# Altium PCB PCB1.PcbDoc (part 3 of 5) (continued)
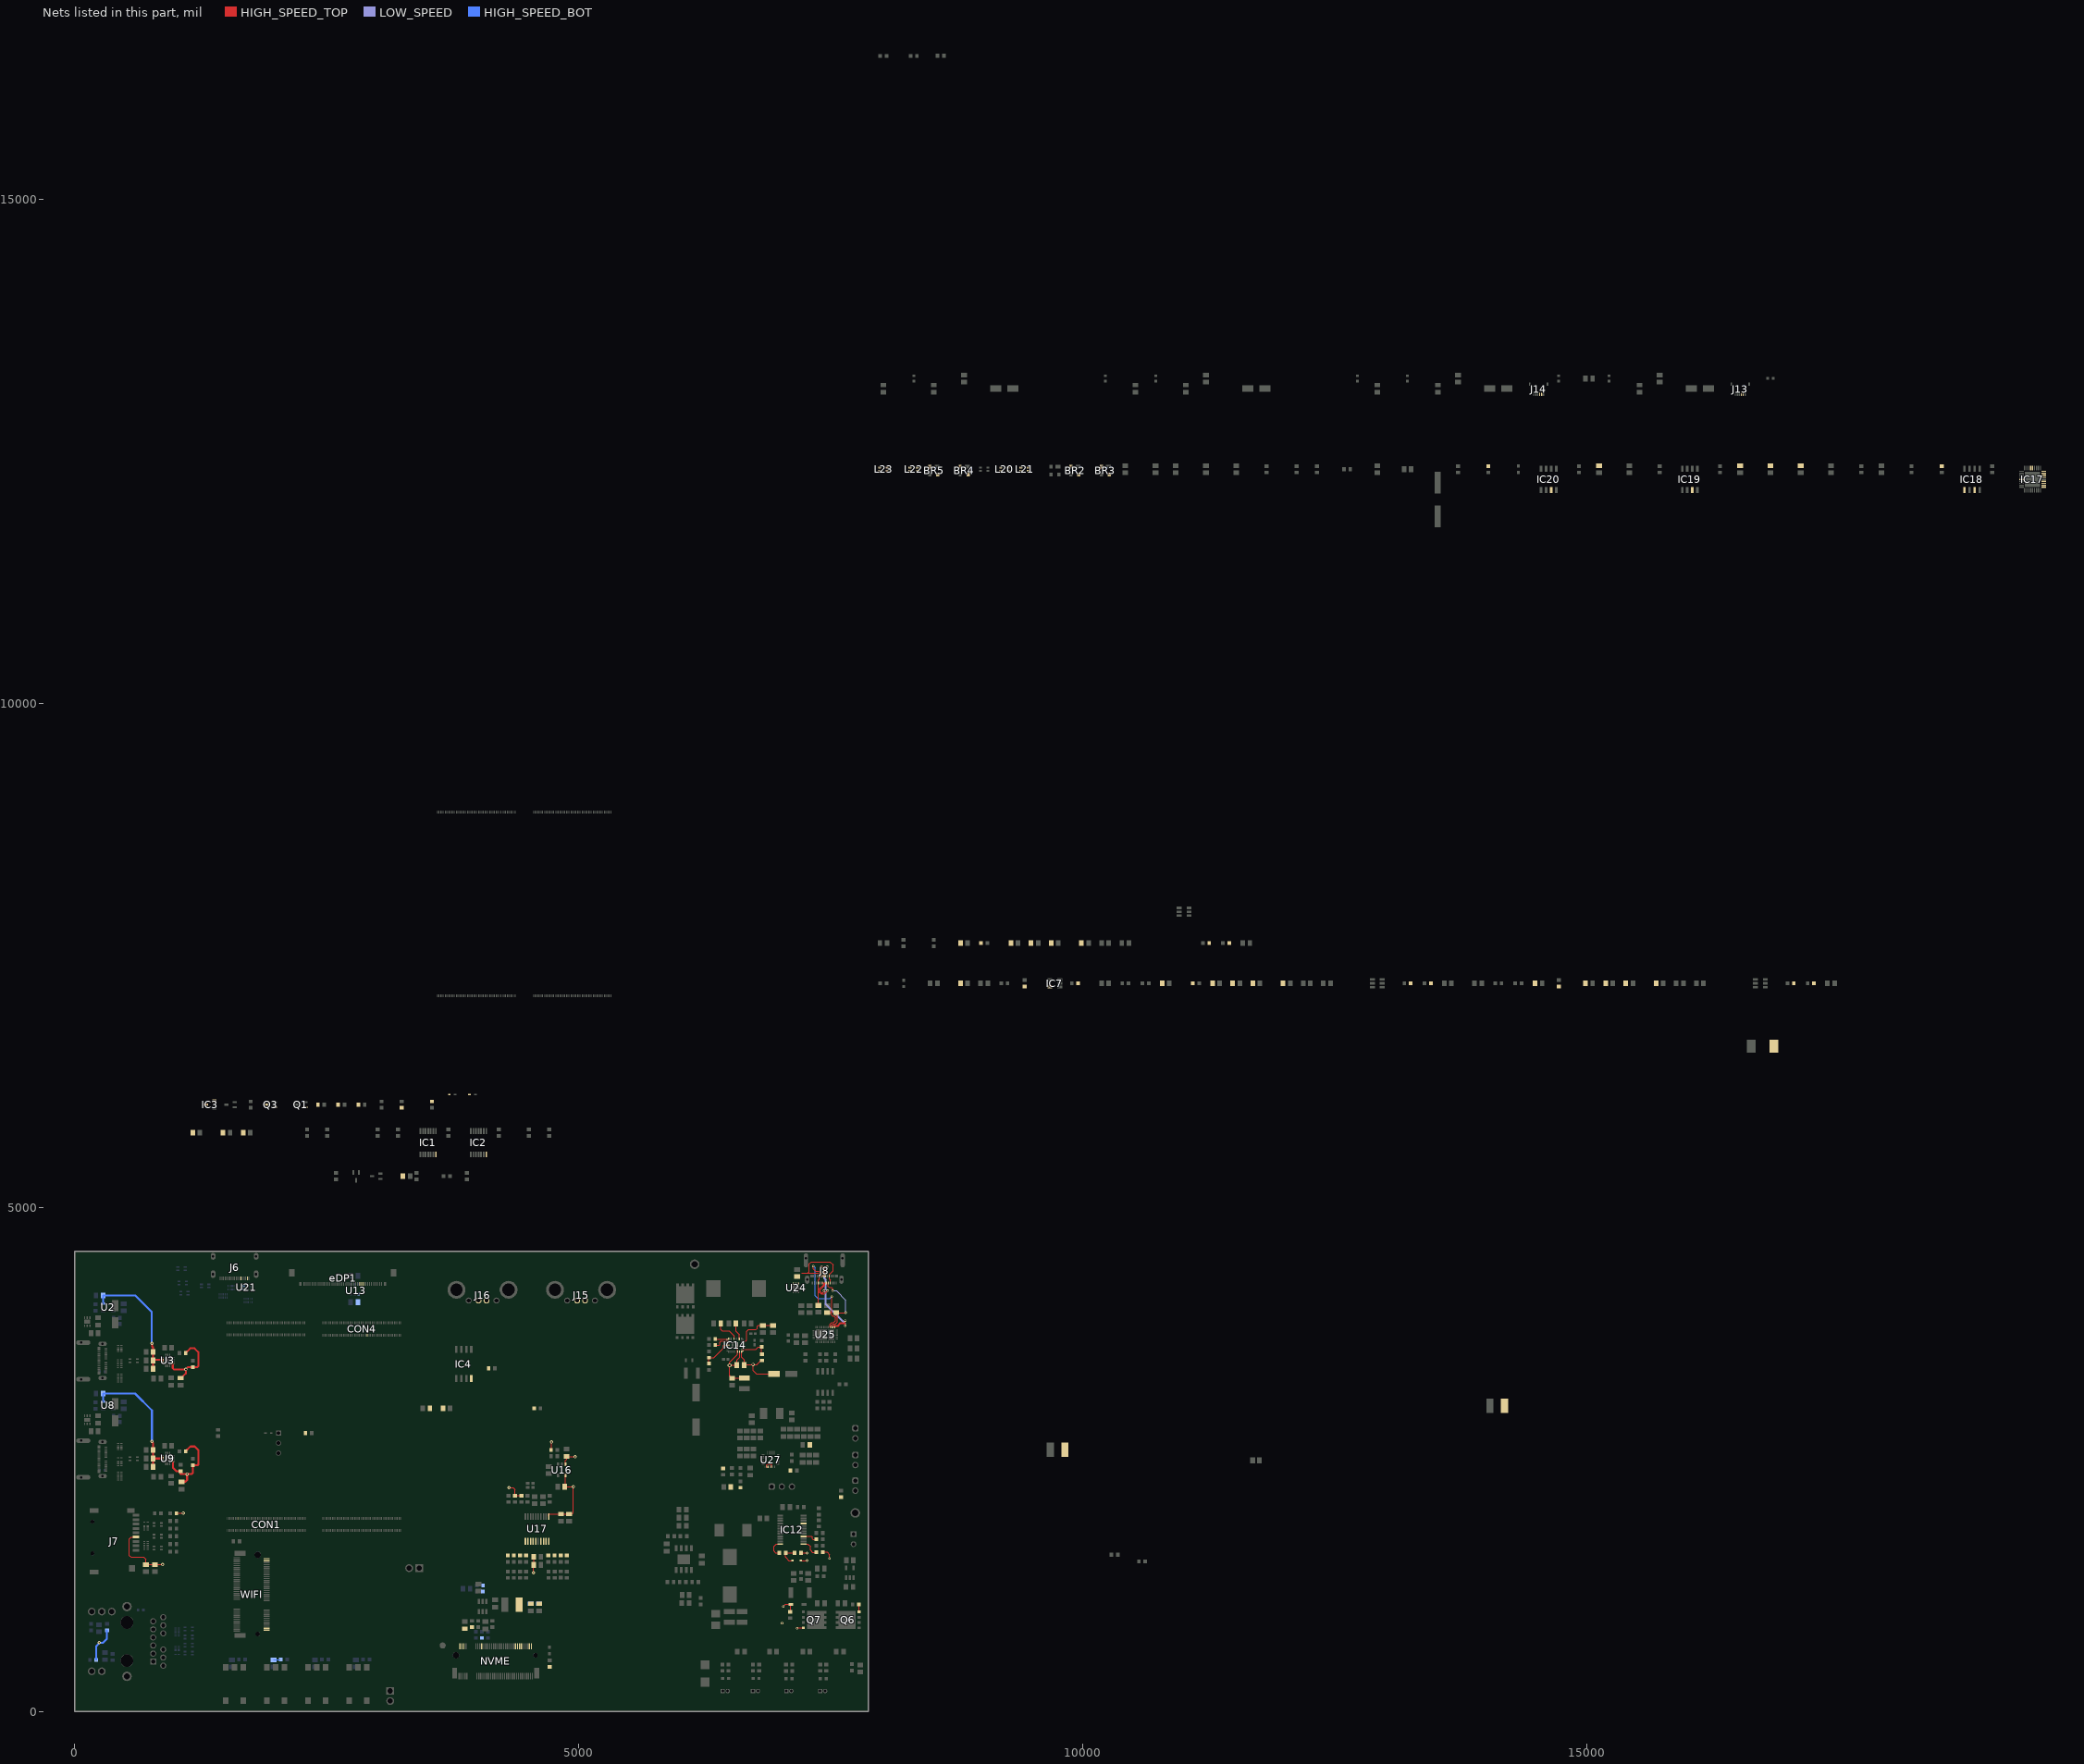
[diagram p9: the nets of this part, all layers, seen from the top]
## Part data (continued)
R156: library part ERJ-3EKF1022V, "10.2 kOhm, ± 1%, 100 mW, 0603 [1608 Metric], Thick Film, Precision", Case Code (Imperial)=0603, Case Code (Metric)=1608, Manufacturer=Panasonic, Max Operating Temperature=155°C, Max Power Dissipation=100mW, Min Operating Temperature=-55°C, Mouser Part Number=667-ERJ-3EKF1022V, Package Quantity=1, Resistance Tolerance=1%, Resistor Type="Thick Film", Supplier Part Number=P10.2KHCT-ND, Temperature Coefficient=100ppm/°C, Voltage Rating=75V, Voltage Rating (DC)=50V, Arrow Part Number=ERJ-3EKF1022V, Arrow Price/Stock=https://www.arrow.com/en/products/erj-3ekf1022v/panasonic, Case/Package=0603, Category="Chip SMD Resistors", ComponentLink1Description=https://datasheet.ciiva.com/34303/1987492-34303567.pdf?src-supplier=Jameco, ComponentLink1URL=https://datasheet.ciiva.com/34303/1987492-34303567.pdf?src-supplier=Jameco, ComponentLink2Description=https://datasheet.ciiva.com/30119/aoa0000ce2-30119176.pdf?src-supplier=Onlinecomponents.com, ComponentLink2URL=https://datasheet.ciiva.com/30119/aoa0000ce2-30119176.pdf?src-supplier=Onlinecomponents.com, ComponentLink3Description=https://datasheet.ciiva.com/43460/426256-43460540.pdf?src-supplier=Farnell, ComponentLink3URL=https://datasheet.ciiva.com/43460/426256-43460540.pdf?src-supplier=Farnell, ComponentLink4Description=https://datasheet.ciiva.com/9194/aoa0000ce2-9194057.pdf?src-supplier=Avnet, ComponentLink4URL=https://datasheet.ciiva.com/9194/aoa0000ce2-9194057.pdf?src-supplier=Avnet, ComponentLink5Description=https://datasheet.ciiva.com/16777/70260748-16777515.pdf?src-supplier=Allied+Electronics, ComponentLink5URL=https://datasheet.ciiva.com/16777/70260748-16777515.pdf?src-supplier=Allied+Electronics, ComponentLink6Description=https://datasheet.ciiva.com/24069/aoa0000ce2-24069678.pdf?src-supplier=Mouser, ComponentLink6URL=https://datasheet.ciiva.com/24069/aoa0000ce2-24069678.pdf?src-supplier=Mouser, ComponentLink7Description=https://datasheet.ciiva.com/28531/1678782-28531526.pdf?src-supplier=Element14, ComponentLink7URL=https://datasheet.ciiva.com/28531/1678782-28531526.pdf?src-supplier=Element14, ComponentLink8Description=https://datasheet.ciiva.com/28658/1678782-28658333.pdf?src-supplier=Element14, ComponentLink8URL=https://datasheet.ciiva.com/28658/1678782-28658333.pdf?src-supplier=Element14, ComponentLink9Description=https://datasheet.ciiva.com/46377/426256-46377339.pdf?src-supplier=Element14, ComponentLink9URL=https://datasheet.ciiva.com/46377/426256-46377339.pdf?src-supplier=Element14, Construction=Rectangular, Contact Plating=Tin, Datasheet Link=http://industrial.panasonic.com/cdbs/www-data/pdf/RDA0000/AOA0000C86.pdf, Depth=0.8mm, Features="Automotive AEC-Q200", Height=0.55mm, Lead Free="Lead Free", Length=1.6mm, Manufacturer Part Number=ERJ-3EKF1022V, Manufacturer_Name=Panasonic, Manufacturer_Part_Number=ERJ-3EKF1022V, Military Standard=Not, Mounting Technology="Surface Mount", Mouser Price/Stock=https://www.mouser.co.uk/ProductDetail/Panasonic/ERJ-3EKF1022V?qs=LRVwtJ3DVID0bgL5Wde26A%3D%3D, Number of Terminations=2, Packaging="Tape and Reel", Power Rating=100mW, Pricing="1=0.1, 10=0.035, 100=0.0177, 1000=0.01014, 2500=0.00847 (USD)", Radiation Hardening=No, Reach SVHC Compliant=No, RoHS=Yes, RoHS Compliant=Yes, Series=ERJ, Stock=89233, Supplier=Digikey, Technology="THICK FILM", Termination=SMD/SMT, Tolerance=1%, Width=0.8mm
R157: library part ERJ-3EKF3742V, "37.4K Ohm 1% 1/10W ±100ppm/°C Molded SMD Punched Carrier T/R", Case Code (Imperial)=0603, Case Code (Metric)=1608, Manufacturer=Panasonic, Max Operating Temperature=155°C, Min Operating Temperature=-55°C, Power Rating=100mW, Resistance Tolerance=1%, Resistor Type="Thick Film", Supplier Part Number=P37.4KHCT-ND, Temperature Coefficient=100ppm/°C, Voltage Rating=75V, Case/Package=0603, Category="Chip SMD Resistors", ComponentLink1Description=https://datasheet.ciiva.com/22668/1678782-22668168.pdf?src-supplier=Element14, ComponentLink1URL=https://datasheet.ciiva.com/22668/1678782-22668168.pdf?src-supplier=Element14, ComponentLink2Description=https://datasheet.ciiva.com/30172/aoa0000ce2-30172522.pdf?src-supplier=Onlinecomponents.com, ComponentLink2URL=https://datasheet.ciiva.com/30172/aoa0000ce2-30172522.pdf?src-supplier=Onlinecomponents.com, ComponentLink3Description=https://datasheet.ciiva.com/46419/1678782-46419947.pdf?src-supplier=Element14, ComponentLink3URL=https://datasheet.ciiva.com/46419/1678782-46419947.pdf?src-supplier=Element14, ComponentLink4Description=https://datasheet.ciiva.com/7870/aoa0000ce2-7870825.pdf?src-supplier=Element14, ComponentLink4URL=https://datasheet.ciiva.com/7870/aoa0000ce2-7870825.pdf?src-supplier=Element14, Lead Free="Contains Lead", Manufacturer Part Number=ERJ-3EKF3742V, Mfr_Name=Panasonic, Mounting Technology="Surface Mount", Packaging="Tape and Reel", Pricing="1=0.1, 10=0.035, 100=0.0177, 1000=0.01014, 2500=0.00847 (USD)", Reach SVHC Compliant=Unknown, RoHS=Yes, RoHS Compliant=Yes, Stock=79144, Supplier=Digikey, Tolerance=1%
R158: library part ERJ-3EKF1961V, "1.96K Ohm 1% 1/10W ±100ppm/°C Molded SMD Punched Carrier T/R", Case Code (Imperial)=0603, Case Code (Metric)=1608, Manufacturer=Panasonic, Max Operating Temperature=155°C, Max Power Dissipation=100mW, Min Operating Temperature=-55°C, Package Quantity=1, Ratings=AEC-Q200, Resistance Tolerance=1%, Resistor Type="Thick Film", Supplier Part Number=P1.96KHCT-ND, Temperature Coefficient=100ppm/°C, Voltage Rating=75V, Voltage Rating (DC)=50V, Case/Package=0603, Category="Chip SMD Resistors", ComponentLink1Description=https://datasheet.ciiva.com/6201/426256-6201465.pdf?src-supplier=Farnell, ComponentLink1URL=https://datasheet.ciiva.com/6201/426256-6201465.pdf?src-supplier=Farnell, ComponentLink2Description=https://datasheet.ciiva.com/9197/aoa0000ce2-9197519.pdf?src-supplier=Avnet, ComponentLink2URL=https://datasheet.ciiva.com/9197/aoa0000ce2-9197519.pdf?src-supplier=Avnet, ComponentLink3Description=https://datasheet.ciiva.com/16775/70260748-16775147.pdf?src-supplier=Allied+Electronics, ComponentLink3URL=https://datasheet.ciiva.com/16775/70260748-16775147.pdf?src-supplier=Allied+Electronics, ComponentLink4Description=https://datasheet.ciiva.com/28610/1678782-28610985.pdf?src-supplier=Element14, ComponentLink4URL=https://datasheet.ciiva.com/28610/1678782-28610985.pdf?src-supplier=Element14, ComponentLink5Description=https://datasheet.ciiva.com/28658/1678782-28658365.pdf?src-supplier=Element14, ComponentLink5URL=https://datasheet.ciiva.com/28658/1678782-28658365.pdf?src-supplier=Element14, ComponentLink6Description=https://datasheet.ciiva.com/46377/426256-46377743.pdf?src-supplier=Element14, ComponentLink6URL=https://datasheet.ciiva.com/46377/426256-46377743.pdf?src-supplier=Element14, ComponentLink7Description=https://datasheet.ciiva.com/46389/426256-46389227.pdf?src-supplier=Element14, ComponentLink7URL=https://datasheet.ciiva.com/46389/426256-46389227.pdf?src-supplier=Element14, ComponentLink8Description=https://datasheet.ciiva.com/24162/aoa0000ce2-24162888.pdf?src-supplier=Mouser, ComponentLink8URL=https://datasheet.ciiva.com/24162/aoa0000ce2-24162888.pdf?src-supplier=Mouser, Construction=Rectangular, Contact Plating=Tin, Depth=0.8mm, Features="Automotive AEC-Q200", Height=0.45mm, Lead Free="Lead Free", Length=1.6mm, Manufacturer Part Number=ERJ-3EKF1961V, Mfr_Name=Panasonic, Military Standard=Not, Mounting Technology="Surface Mount", Number of Terminations=2, Packaging="Tape and Reel", Power Rating=100mW, Pricing="1=0.1, 10=0.035, 100=0.0177, 1000=0.01014, 2500=0.00847 (USD)", Reach SVHC Compliant=No, RoHS=Yes, RoHS Compliant=Yes, Series=ERJ, Stock=68295, Supplier=Digikey, Technology="THICK FILM", Termination=SMD/SMT, Tolerance=1%, Weight=7.1E-05oz, Width=0.8mm
R168: library part ERJ-3EKF1241V, "1.24K Ohm 1% 1/10W  0603", Case Code (Imperial)=0603, Case Code (Metric)=1608, Manufacturer=Panasonic, Max Operating Temperature=155°C, Max Power Dissipation=100mW, Min Operating Temperature=-55°C, Mouser Part Number=667-ERJ-3EKF1241V, Package Quantity=5000, Resistance Tolerance=1%, Resistor Type="Thick Film", Supplier Part Number=P1.24KHCT-ND, Temperature Coefficient=100ppm/°C, Voltage Rating=75V, Voltage Rating (DC)=50V, Case/Package=0603, Category="Chip SMD Resistors", ComponentLink1Description=https://datasheet.ciiva.com/6201/426256-6201385.pdf?src-supplier=Farnell, ComponentLink1URL=https://datasheet.ciiva.com/6201/426256-6201385.pdf?src-supplier=Farnell, ComponentLink2Description=https://datasheet.ciiva.com/43460/426256-43460475.pdf?src-supplier=Farnell, ComponentLink2URL=https://datasheet.ciiva.com/43460/426256-43460475.pdf?src-supplier=Farnell, ComponentLink3Description=https://datasheet.ciiva.com/9198/aoa0000ce2-9198405.pdf?src-supplier=Avnet, ComponentLink3URL=https://datasheet.ciiva.com/9198/aoa0000ce2-9198405.pdf?src-supplier=Avnet, ComponentLink4Description=https://datasheet.ciiva.com/46377/426256-46377543.pdf?src-supplier=Element14, ComponentLink4URL=https://datasheet.ciiva.com/46377/426256-46377543.pdf?src-supplier=Element14, ComponentLink5Description=https://datasheet.ciiva.com/46389/426256-46389400.pdf?src-supplier=Element14, ComponentLink5URL=https://datasheet.ciiva.com/46389/426256-46389400.pdf?src-supplier=Element14, ComponentLink6Description=https://datasheet.ciiva.com/27055/1987599-27055669.pdf?src-supplier=Jameco, ComponentLink6URL=https://datasheet.ciiva.com/27055/1987599-27055669.pdf?src-supplier=Jameco, ComponentLink7Description=https://datasheet.ciiva.com/30129/aoa0000ce2-30129916.pdf?src-supplier=Onlinecomponents.com, ComponentLink7URL=https://datasheet.ciiva.com/30129/aoa0000ce2-30129916.pdf?src-supplier=Onlinecomponents.com, ComponentLink8Description=https://datasheet.ciiva.com/28536/1678782-28536153.pdf?src-supplier=Element14, ComponentLink8URL=https://datasheet.ciiva.com/28536/1678782-28536153.pdf?src-supplier=Element14, ComponentLink9Description=https://datasheet.ciiva.com/28672/1678782-28672318.pdf?src-supplier=Element14, ComponentLink9URL=https://datasheet.ciiva.com/28672/1678782-28672318.pdf?src-supplier=Element14, ComponentLink10Description=https://datasheet.ciiva.com/16787/70260748-16787720.pdf?src-supplier=Allied+Electronics, ComponentLink10URL=https://datasheet.ciiva.com/16787/70260748-16787720.pdf?src-supplier=Allied+Electronics, Construction=Rectangular, Contact Plating=Tin, Datasheet Link=http://industrial.panasonic.com/cdbs/www-data/pdf/RDA0000/AOA0000C86.pdf, Depth=0.8mm, Features="Automotive AEC-Q200", Height=0.55mm, Lead Free="Lead Free", Length=1.6mm, Manufacturer Part Number=ERJ-3EKF1241V, Manufacturer_Name=Panasonic, Manufacturer_Part_Number=ERJ-3EKF1241V, Military Standard=Not, Mounting Technology="Surface Mount", Mouser Price/Stock=https://www.mouser.co.uk/ProductDetail/Panasonic/ERJ-3EKF1241V?qs=H7k1u0Mp9JSxP0pMBm%2FrfQ%3D%3D, Number of Terminations=2, Packaging="Tape and Reel", Power Rating=100mW, Pricing="1=0.1, 10=0.035, 100=0.0177, 1000=0.01014, 2500=0.00888 (USD)", Radiation Hardening=No, Reach SVHC Compliant=Unknown, RoHS=Yes, RoHS Compliant=Yes, Series=ERJ, Stock=87035, Supplier=Digikey, Termination=SMD/SMT, Tolerance=1%, Width=0.8mm
RT1: "NTC Thermistor 10k Bead", Manufacturer_Name=Semitec, Mouser Part Number=954-103AT-2, Datasheet Link=https://www.semitec-global.com/uploads/2022/01/P12-13-AT-Thermistor.pdf, Height=9.5mm, Manufacturer_Part_Number=103AT-2, Mouser Price/Stock=https://www.mouser.co.uk/ProductDetail/Semitec/103AT-2?qs=wgO0AD0o1vvcDzsKguD%252Bew%3D%3D
TP3 TP4: library part 5006, "Test Point Compact THM PC .350 L .125 OD Heat Resistant Nylon 46 Black", Package="NON STANDARD-1 Keystone", Check_prices=https://www.snapeda.com/parts/5006/Keystone/view-part/?ref=eda, MF="Keystone Electronics Corp.", MP=5006, SnapEDA_Link=https://www.snapeda.com/parts/5006/Keystone/view-part/?ref=snap
U1 U7 U24: "ESD Suppressors / TVS Diodes 22V flat-clamp surge protection device 6-WSON -40 to 125", Breakdown Voltage=24.6V, Clamping Voltage=28V, Manufacturer="Texas Instruments", Max Operating Temperature=125°C, Min Operating Temperature=-40°C, Package="WSON-6 Texas Instruments", Peak Pulse Current=40A, Reverse Standoff Voltage=22V, Supplier Part Number=296-52187-1-ND, Category="ESD and Circuit Protection ICs", Check_prices=https://www.snapeda.com/parts/TVS2200DRVR/Texas+Instruments/view-part/?ref=eda, ComponentLink1Description=http://www.ti.com/general/docs/suppproductinfo.tsp?distId=10&amp;gotoUrl=http%3A%2F%2Fwww.ti.com%2Flit%2Fgpn%2Ftvs2200&src-supplier=Digikey, ComponentLink1URL=http://www.ti.com/general/docs/suppproductinfo.tsp?distId=10&amp;gotoUrl=http%3A%2F%2Fwww.ti.com%2Flit%2Fgpn%2Ftvs2200&src-supplier=Digikey, ComponentLink2Description=http://www.ti.com/lit/ds/symlink/tvs2200.pdf?src-supplier=Digikey, ComponentLink2URL=http://www.ti.com/lit/ds/symlink/tvs2200.pdf?src-supplier=Digikey, Direction=Unidirectional, Height=800um, Length=2mm, Manufacturer Part Number=TVS2200DRVR, MF="Texas Instruments", Mounting Technology="Surface Mount", MP=TVS2200DRVR, Number of Channels=1, Number of Circuits=1, Packaging="Cut Tape", Pins=6, Pricing="1=0.54, 10=0.373, 100=0.254, 500=0.199, 1000=0.181 (USD)", RoHS=Yes, RoHS Compliant=Yes, Series=-, SnapEDA_Link=https://www.snapeda.com/parts/TVS2200DRVR/Texas+Instruments/view-part/?ref=snap, Stock=5934, Supplier=Digikey, Thickness=750um, Width=2mm
U2 U8: "2.4V~5.5V 80mΩ Active High 1 High-side switch SOT-23-5 Power Distribution Switches ROHS", Manufacturer_Name=Silergy, Datasheet Link=https://datasheet.lcsc.com/szlcsc/Silergy-Corp-SY6280AAC_C55136.pdf, Height=1.4mm, Manufacturer_Part_Number=SY6280AAC
U3 U9: "USB Controller USB 3.1 USB Interface 14-MLP (2.5x2.5)", Manufacturer_Name=onsemi, Mouser Part Number=512-FUSB302BMPX, Arrow Part Number=FUSB302BMPX, Arrow Price/Stock=https://www.arrow.com/en/products/fusb302bmpx/on-semiconductor?utm_currency=USD&region=nac, Datasheet Link=https://www.onsemi.com/pub/Collateral/FUSB302B-D.PDF, Height=0.8mm, Manufacturer_Part_Number=FUSB302BMPX, Mouser Price/Stock=https://www.mouser.co.uk/ProductDetail/onsemi-Fairchild/FUSB302BMPX?qs=8ziscO3x5y1SHqdwooDK6g%3D%3D
U4 U5 U6 U10 U11 U12 U14 U15 U18 U19 U20 U21 U22 U23: "TVS DIODE 3.6V 8.8V 10USON / 4-Channel ESD Protection Diode for USB Type-C and HDMI 2.0", Breakdown Voltage=6.4V, Manufacturer="Texas Instruments", Max Operating Temperature=125°C, Min Breakdown Voltage=5.5V, Min Operating Temperature=-40°C, Operating Supply Voltage=3.6V, Peak Pulse Current=5A, Peak Pulse Power=17W, Power Line Protection=No, Supplier Part Number=296-43875-1-ND, Category="Integrated Circuits (ICs)", ComponentLink1Description=http://www.ti.com/lit/ds/symlink/tpd4e02b04.pdf?src-supplier=Digikey, ComponentLink1URL=http://www.ti.com/lit/ds/symlink/tpd4e02b04.pdf?src-supplier=Digikey, ComponentLink2Description=http://www.ti.com/lit/ds/symlink/tpd4e02b04.pdf?src-supplier=Farnell, ComponentLink2URL=http://www.ti.com/lit/ds/symlink/tpd4e02b04.pdf?src-supplier=Farnell, ComponentLink3Description=http://www.ti.com/lit/ds/symlink/tpd4e02b04.pdf?src-supplier=Newark, ComponentLink3URL=http://www.ti.com/lit/ds/symlink/tpd4e02b04.pdf?src-supplier=Newark, ComponentLink4Description=http://www.ti.com/general/docs/lit/getliterature.tsp?genericPartNumber=TPD4E02B04&amp;&amp;fileType=pdf&src-supplier=Element14, ComponentLink4URL=http://www.ti.com/general/docs/lit/getliterature.tsp?genericPartNumber=TPD4E02B04&amp;&amp;fileType=pdf&src-supplier=Element14, CompType=IC, Diode Type=ZENER, Direction=211Direction, Height=550um, Interface=USB,HDMI, Lead Free="Lead Free", Length=2.5mm, Manufacturer Part Number=TPD4E02B04DQAR, Mfr_Name="Texas Instruments", Mounting Technology="Surface Mount", MountType=SMT, Number of Bidirectional Channels=4, Number of Channels=4, PackageReference=DQA0010A, Packaging="Cut Tape", PartNumber=TPD4E02B04DQAR, Pins=10, Reach SVHC Compliant=No, RefDes=RefDes, Reverse Standoff Voltage=3.6V, RoHS=Y, RoHS Compliant=Yes, Series=-, Supplier=Digikey, Thickness=500um, Type=TYPE, Width=1mm
U13: "5.5-V, 2-A, 80-mΩ , 10-nA leakage load switch adj. rise time and adj output discharge 6-SOT-23 -45 to 125", Case/Package=926Case, Manufacturer="Texas Instruments", Supplier Part Number=296-TPS22917LDBVRCT-ND, Category="Integrated Circuits (ICs)", Length=2.9mm, Manufacturer Part Number=TPS22917LDBVR, Mfr_Name="Texas Instruments", Pins=6NUMBER, Pricing="1=0.41, 10=0.284, 25=0.2528, 100=0.2188, 250=0.20248, 500=0.1927, 1000=0.18463 (USD)", RefDes=RefDes, RoHS=No, Stock=10229, Supplier=Digikey, Thickness=1.2mm, Type=TYPE, Width=1.6mm
U16: "RT9193 Series 300 mA 3.3 V Ultra-Low Noise Ultra-Fast CMOS LDO Regulator-SC-70-5", Case/Package=SOT-23-5, Dropout Voltage=220mV, Manufacturer=Richtek, Max Operating Temperature=125°C, Max Supply Voltage=5.5V, Mfr_Name="Richtek Technology", Min Input Voltage=2.5V, Min Operating Temperature=-40°C, Min Output Voltage=3.3V, Output Current=300mA, Power Supply Rejection Ratio (PSRR)=50dB, Quiescent Current=130uA, Supplier Part Number=1028-1014-1-ND, Category="Voltage Regulators - Linear", ComponentLink1Description=https://datasheet.ciiva.com/2046/3d3futf-83fb3frfm5mtkzlte2lnbkzg3d3d3f3d-2046896.pdf?src-supplier=Digikey, ComponentLink1URL=https://datasheet.ciiva.com/2046/3d3futf-83fb3frfm5mtkzlte2lnbkzg3d3d3f3d-2046896.pdf?src-supplier=Digikey, ComponentLink2Description=https://datasheet.ciiva.com/28652/1782157-28652989.pdf?src-supplier=Element14, ComponentLink2URL=https://datasheet.ciiva.com/28652/1782157-28652989.pdf?src-supplier=Element14, Lead Free="Lead Free", Manufacturer Part Number=RT9193-33GB, Mounting Technology="Surface Mount", Nominal Output Voltage=3.3V, Number of Regulators=1, Output Configuration=Positive, Output Type=Fixed, Packaging="Cut Tape", Pins=5, Pricing="1=0.88, 10=0.533, 25=0.4408, 100=0.3365, 250=0.28532, 500=0.25378, 1000=0.22736 (USD)", Reach SVHC Compliant=Unknown, RefDes=RefDes, RoHS=Yes, RoHS Compliant=Yes, Series=-, Stock=19103, Supplier=Digikey, Type=Type
U17: "Clock Generators & Support Products PCI express Gen 2 4 output clock gen", Case/Package=TSSOP, Clock Frequency=200MHz, Manufacturer=Diodes, Max Operating Temperature=85°C, Max Supply Voltage=3.465V, Mfr_Name=Pericom, Min Operating Temperature=-40°C, Min Supply Voltage=3.135V, Operating Supply Voltage=3.3V, Package Quantity=74, Supplier Part Number=PI6C557-05BLE-ND, Supply Current=120mA, Category="Clock and Timing", ComponentLink1Description=https://datasheet.ciiva.com/14827/pi6c557-05b-14827350.pdf?src-supplier=Arrow+Electronics, ComponentLink1URL=https://datasheet.ciiva.com/14827/pi6c557-05b-14827350.pdf?src-supplier=Arrow+Electronics, ComponentLink2Description=https://datasheet.ciiva.com/12295/pi6c557-05b-218523-12295667.pdf?src-supplier=Mouser, ComponentLink2URL=https://datasheet.ciiva.com/12295/pi6c557-05b-218523-12295667.pdf?src-supplier=Mouser, Input=Crystal, Manufacturer Part Number=PI6C557-05BLE, Mounting Technology="Surface Mount", Number of Circuits=1, Number of Elements=1, Packaging=Rail/Tube, Pins=20, PLL=Yes, Pricing="1=3.43, 10=2.188, 74=1.56716, 148=1.41622, 296=1.2898, 518=1.20288, 1036=1.1111, 2516=1.05 (USD)", RefDes=RefDes, RoHS=Yes, RoHS Compliant=Yes, Series=-, Stock=29, Supplier=Digikey, Type=Type
U25: "USB Type-C and USB PD Controller with Integrated Power Switches Optimized for Power Applications", Manufacturer="Texas Instruments", Max Supply Voltage=22V, Min Supply Voltage=3V, Operating Temperature Range="-40°C to +125°C", AEC Category=Q200, AEC Qualified=No, ComponentLink1Description="Datasheet Link", ComponentLink1URL=http://www.ti.com/lit/ds/symlink/GPN.pdf, ComponentLink2Description="Product Folder", ComponentLink2URL=http://www.ti.com/product/GPN, ComponentLink3Description="Online Datasheet", ComponentLink3URL=http://www.ti.com/product/GPN/datasheet, CompType=IC, Datasheet Path=datasheets/IC-TPS25750DRJK.pdf, helpURL=https://upverter.com/upn/revision/5be88369cac593dc/, Number of Ports=1, PackageReference=VQFN32, Part Number=TPS25750DRJK, RoHS=UNKNOWN, SizeZ_mm=0.8mm, Standoff Height=0mm, TaMax_C=+105°C, TaMin_C=-40°C, Tjmax_C=+175°C, Usb Standard="USB 3.0"
U26: "EEPROM Memory IC 256Kbit I2C 1 MHz 500 ns 8-SOIC", Manufacturer_Name=onsemi, Mouser Part Number=698-CAT24C256WI-GT3, Arrow Part Number=CAT24C256WI-GT3, Arrow Price/Stock=https://www.arrow.com/en/products/cat24c256wi-gt3/on-semiconductor?utm_currency=USD&region=nac, Datasheet Link=https://www.onsemi.com/pub/Collateral/CAT24C256-D.PDF, Height=1.75mm, Manufacturer_Part_Number=CAT24C256WI-GT3, Mouser Price/Stock=https://www.mouser.co.uk/ProductDetail/onsemi/CAT24C256WI-GT3?qs=rZgeL6XvLwaEqwp5Dppodg%3D%3D
U27: library part BQ2579x, "BQ2579x HotRod", Manufacturer="Texas Instruments", Operating Temperature Range=to, Datasheet Path=datasheets/IC-BQ25792RQM.pdf, helpURL=https://upverter.com/upn/revision/94d0648e55e6c5c0/, PackageReference=VQFN-HR29, Part Number=BQ25792RQM, RoHS=UNKNOWN, SizeZ_mm=1mm, Standoff Height=0mm
WIFI: "PCIe M.2 Connectors, Storage and Server Connector, P=0.5mm, H=3.2mm, Key E,30Î¼in Au Plating", Package=None, Availability="In Stock", Check_prices=https://www.snapeda.com/parts/MDT320E01001/Amphenol+FCI/view-part/?ref=eda, MF="Amphenol ICC", MP=MDT320E01001, Price=None, Purchase-URL=https://pricing.snapeda.com/search/part/MDT320E01001/?ref=eda, SnapEDA_Link=https://www.snapeda.com/parts/MDT320E01001/Amphenol+FCI/view-part/?ref=snap
Y1: library part ECS-250-8-37B2-RWY-TR, "Crystal 25MHz ±15ppm (Tol) ±15ppm (Stability) 8pF FUND 50Ohm 4-Pin Mini-CSMD T/R", Manufacturer="ECS International", Package=None, Supplier Part Number=50-ECS-250-8-37B2-RWY-TRCT-ND, Availability=Unavailable, Category=Crystals, ComponentLink1Description=https://datasheet.octopart.com/ECS-250-8-37B2-RWY-TR-ECS-International-datasheet-163707945.pdf?src-supplier=Electro+Sonic, ComponentLink1URL=https://datasheet.octopart.com/ECS-250-8-37B2-RWY-TR-ECS-International-datasheet-163707945.pdf?src-supplier=Electro+Sonic, Manufacturer Part Number=ECS-250-8-37B2-RWY-TR, MF="{'manufacturer': u'ECS Inc.'}", MP=ECS-250-8-37B2-RWY-TR, Price=None, Pricing="1=0.37, 10=0.321, 50=0.2914, 100=0.2794, 500=0.25326, 1000=0.24278 (USD)", RoHS=No, Stock=26122, Supplier=Digikey
Y2: library part HCM4924000000ABJT, "Crystal 24MHz ±30ppm (Tol) ±50ppm (Stability) 18pF FUND 50Ohm Automotive 2-Pin HC-49/US SMD T/R", ESR (Equivalent Series Resistance)=50R, Frequency=24MHz, Frequency Stability=50ppm, Frequency Tolerance=30ppm, Load Capacitance=18pF, Manufacturer=Citizen, Manufacturer_Name="CITIZEN FINEDEVICE", Max Operating Temperature=60°C, Min Operating Temperature=-10°C, Mouser Part Number=695-HCM4924.0ABJT, Operating Frequency="24 MHz", Supplier Part Number=300-6145-1-ND, Category=Crystals, ComponentLink1Description=https://datasheet.ciiva.com/16377/hcm49-16377455.pdf?src-supplier=Future+Electronics, ComponentLink1URL=https://datasheet.ciiva.com/16377/hcm49-16377455.pdf?src-supplier=Future+Electronics, Datasheet Link=http://cfd.citizen.co.jp/english/prod-tech/product/pdf/datasheet_AT/HCM49_E.pdf, Height=4.3mm, Lead Free="Lead Free", Manufacturer Part Number=HCM4924000000ABJT, Manufacturer_Part_Number=HCM4924000000ABJT, Mounting Technology="Surface Mount", Mouser Price/Stock=https://www.mouser.co.uk/ProductDetail/Citizen-FineDevice/HCM4924000000ABJT?qs=byeeYqUIh0Mz0GkevvEzSA%3D%3D, Packaging="Cut Tape", Pricing="1=0.54, 10=0.47, 50=0.4262, 100=0.4085, 500=0.37032 (USD)", RoHS=Yes, RoHS Compliant=Yes, Series=HCM49, Stock=24350, Supplier=Digikey

## Free pads (board coordinates)
  round 60 all layers, no hole: "Pewake TP"(3649,656)

## Via types
v1: diameter 32, hole 16, HIGH_SPEED_TOP to HIGH_SPEED_BOT, 118 vias
v2: diameter 24, hole 12, HIGH_SPEED_TOP to HIGH_SPEED_BOT, 107 vias
v3: diameter 23.62, hole 11.81, HIGH_SPEED_TOP to HIGH_SPEED_BOT, 24 vias
v4: diameter 40, hole 20, HIGH_SPEED_TOP to HIGH_SPEED_BOT, 1 vias

## Nets (pads, with @x,y where several pads share a name; then routed paths per layer and width w, separated by ;. In a path a pad name is that pad's centre, name@x,y a point inside that pad or via, vN(x,y) a via of type N, cw(c..) or ccw(c..) an arc to the next point about the centre after c; other vN are vias at no path point)
5V_HDMI_TX0: C37.2 IC3.2 J6.18 U21.2 U21.9
(1..4)VBUS: C86.2 J8.A4 J8.A9 J8.B4 J8.B9 L15.1 U24.4 U24.5 U24.6 | length 1047.8
  HIGH_SPEED_TOP w7.87: C86.2@7164,4314.57 C86.2@7165,4315.57 ; 7212.07,4352 7272.07,4352 ; L15.1@7376.13,4028.78 J8.A9@7376.13,4254.09 7376.13,4283.59 7385.97,4293.44 J8.B4@7385.97,4321.01 J8.B4@7385.32,4321.67 ; J8.B4@7384.71,4322.27 J8.B4@7385.32,4321.67 ; J8.A4@7494.24,4254.09 7494.24,4283.59 7484.4,4293.44 J8.B9@7484.4,4321.01 7486.32,4322.94 7486.32,4339.25 7522.07,4375 7522.07,4432 7492.07,4462 7307.07,4462 7286.07,4441 7286.07,4366 7272.07,4352 ; 7272.07,4352 7377.07,4352 7385.32,4343.76 J8.B4@7385.32,4321.67
+1V8: C45.2 C46.1 C67.2 IC4.8 IC7.5 R49.2 R75.2 R76.2 | length 66.9
  HIGH_SPEED_TOP w10: R49.2@1008.5,1968 1009.5,1969 v1(1075,1969)
+3V3: C9.2 C17.2 C21.2 C60.2 C61.2 C62.2 C63.2 C64.2 C156.1 C157.1 C158.1 D2.2 IC17.15 IC17.23 L12.1 Q1.1 R4.1 R5.1 R11.1 R12.1 R13.2 R14.2 R15.2 R18.2 R22.2 R51.2 R52.2 R55.2 R60.2 R77.2 R87.2 R89.1 R92.2 R161.1 R167.1 U3.4 U9.4 U13.1 | length 2047.3
  HIGH_SPEED_TOP w10: R22.2@4725,2595 4729,2599 v1(4729,2674)
  HIGH_SPEED_TOP w19.68: U3.4@971.14,3453.87 971.14,3406.64 982.67,3395.11 v1(1100.9,3395.11) ; U9.4@972.14,2480.78 972.14,2421.86 1010,2384 R13.2@1046.5,2384 ; R13.2@1046.03,2385.5 R13.2@1048,2385.5 R13.2@1046.5,2384 ; C9.2@1048.9,3309.54 1054.8,3309.54 1100.9,3355.64 v1(1100.9,3395.11) ; C17.2@1059,2277.43 1062.58,2281.01 1096.69,2281.01 1114,2298.33 v1(1114,2357) 1160,2357 1171,2368 R11.1@1171,2444.5 1216.5,2444.5 1226,2454 1226,2593 1189,2630 1146.5,2630 1114.18,2597.68 1112.21,2597.68 1099.5,2584.97 R12.1@1099.5,2583 R12.1@1100.5,2582 ; R5.1@1099.5,3556 1098.5,3557 1098.5,3558.97 1111.21,3571.69 1113.18,3571.69 1145.5,3604 1188,3604 1225,3567 1225,3428 1215.5,3418.5 1121.69,3418.5 1100.9,3397.71 v1(1100.9,3395.11) ; v1@1113,2356 1051.86,2356 1046,2361.86 1046,2378.5 1043.5,2381 R13.2@1046.5,2384
  HIGH_SPEED_BOT w19.68: R14.2@212.5,512 212.5,649.54 242,679.05 v1(242,685) 245,682 278,682 317,721 R15.2@317,806.5
+3V3_NVME: C72.2 C73.2 C74.2 C75.2 C76.2 L13.1 NVME.2 NVME.4 NVME.12 NVME.14 NVME.16 NVME.18 NVME.70 NVME.72 NVME.74 R96.2
+3V3_PI6C: C28.2 C29.2 C30.2 C31.2 C32.2 R26.2 R27.2 U16.5 U17.1 U17.15 | length 1085.1
  HIGH_SPEED_TOP w10: v1(4308,2223) 4310,2221 4348,2221 4367,2202 R27.2@4367,2142.5 R26.2@4430,2142.5 ; v1(4551,1377) 4551,1454.43 C32.2@4552.57,1456 C31.2@4552.57,1536 ; U17.1@4700.16,1935.5 4700.16,1958.43 4702.16,1960.43 C29.2@4822,1960.43 C30.2@4904,1960.43 4908.57,1965 4939,1965 4946,1972 v1(4946,2231) C28.2@4860.43,2231 4868.99,2239.55 U16.5@4868.99,2343.75
+3V3_SD_SO: C35.2 C36.2 CON4.58 J7.4 | length 637.3
  HIGH_SPEED_TOP w10: J7.4@607.12,1731.34 558.34,1731.34 540,1713 540,1549 556,1533 684,1533 707,1510 707,1460 C35.2@706,1459 C36.2@794,1459 v1(870,1459)
+3V3_WIFI: C81.2 C82.2 C83.2 C84.2 C85.2 L14.1 R101.2 WIFI.2 WIFI.4 WIFI.72 WIFI.74
+5V: C2.2 C6.2 C7.2 C8.2 C12.2 C14.2 C15.2 C16.2 C26.2 C38.2 C39.2 C40.2 C51.2 C52.2 C53.2 C54.2 C55.2 D1.2 IC1.14 IC2.14 IC3.3 IC18.5 IC18.7 IC19.7 IC20.7 L11.1 Q3.1 R82.2 U2.5 U3.12 U3.13 U8.5 U9.12 U9.13 U16.1 | length 2809.5
  HIGH_SPEED_TOP w7.87: U16.1@4868.99,2452.25 4868.99,2491.99 4879,2502 4879,2531.57 C26.2@4877,2533.57 4882.57,2528 v1(4963,2528)
  HIGH_SPEED_TOP w19.68: v1(763.9,3653.54) 766.25,3651.19 766.25,3623.86 776,3614.11 C6.2@776,3569.21 ; v1(765,2680) 765,2673.47 777,2661.47 777,2595.78 C14.2@776.71,2595.49 ; C8.2@775.71,3401.51 C7.2@775.71,3483.68 ; C7.2@775.71,3485.49 C6.2@775.71,3567.69 ; C7.2@776.61,3484.58 781.72,3489.69 854.8,3489.69 858.35,3493.24 U3.12@869.69,3493.24 U3.13@869.69,3473.56 ; C16.2@776.71,2427.49 C15.2@776.71,2511.49 ; C14.2@776.71,2600.71 C14.2@776.71,2595.49 ; U9.13@862.78,2500.46 862.78,2513.15 ; U9.12@862.78,2520.15 862.78,2513.15 ; U9.12@869.78,2520.15 862.78,2513.15 ; C15.2@776.71,2511.49 861.12,2511.49 862.78,2513.15 ; C15.2@776.71,2511.49 C14.2@776.71,2595.49
  HIGH_SPEED_BOT w19.68: U8.5@279.82,3075.4 279.82,3155.38 C12.2@280.43,3156 598,3156 765,2989 v1(765,2680) ; U2.5@279.81,4048.6 C2.2@279.81,4129.11 ; C2.2@281.03,4129.82 597.18,4129.82 764,3963 v1@764,3653.54
+12: C131.2 C132.2 C133.1 C187.1 C187.2 eDP1.10 eDP1.11 eDP1.12 IC14.11 IC14.12 IC14.13 IC14.26 IC14.29 R79.1 R80.1 R84.1 R85.1 R93.1 R94.1 R98.1 R99.1 R148.2 | length 1337.5
  HIGH_SPEED_TOP w7.87: C131.2@6522,3308.43 6516.09,3308.43 6497.39,3327.13 6497.39,3333.04 6495,3335.43 v4(6495,3436) ; IC14.11@6575,3570.55 6575,3542 6496.2,3463.2 6496.2,3437.2 v4(6495,3436) ; IC14.12@6594.69,3570.55 6594.69,3513.68 6568.57,3487.57 C187.1@6568.57,3438 6566.57,3436 v4(6495,3436) ; IC14.13@6615.31,3572.55 6615.31,3515.68 6641.43,3489.57 6641.43,3444 C187.2@6641.43,3440
  HIGH_SPEED_TOP w10: C131.2@6522,3308.43 6640.93,3308.43 C132.2@6641,3308.36 ; IC14.11@6575,3570.55 IC14.26@6575,3635 ; C187.2@6631.43,3439 6636.43,3444 6641.43,3444 v1(6728,3444) ; R148.2@6808,3484.5 6806.03,3484.5 6765.53,3444 v1(6728,3444) ; C133.1@6936.39,3351 6760,3351 6728,3383 v1(6728,3444)
  LOW_SPEED w10: v4@6487,3437 v4@6490.5,3440.5
AGND: C115.1 L24.2 R112.1 R114.1 R115.1 R117.1 U27.10 U27.11 U27.13 | length 108.9
  HIGH_SPEED_TOP w10: U27.11@6879.38,2427.2 U27.10@6863.63,2427.2 6864.69,2428.26 6864.69,2447.83 6870.86,2454 6905.02,2454 6910.87,2448.14 U27.13@6910.87,2427.2
BOOT1: C137.1 IC14.22 | length 245.2
  HIGH_SPEED_TOP w7.87: C137.1@6408.43,3850 6408.43,3790.57 6423,3776 6492,3776 6540.55,3727.45 IC14.22@6540.55,3699.96
BOOT2: C138.1 IC14.20 | length 164.9
  HIGH_SPEED_TOP w7.87: C138.1@6559.43,3850 6559.43,3773.57 6591.73,3741.27 IC14.20@6591.73,3698.5
BOOT_SARADC_IN0: C43.1 CON1.15 R72.1 | length 72.4
  HIGH_SPEED_BOT w10: C43.1@1972,513.43 2037.94,513.43 R72.1@2042.5,518
C_CC1: C91.2 J8.A5 U25.28 | length 676.4
  HIGH_SPEED_TOP w7.87: J8.A5@7474.55,4254.09 7474.55,4219.52 7485.07,4209 7507,4209 7520,4196 v2(7520,4175) ; U25.28@7507.2,3815.42 7507.2,3832.2 7522,3847 7544.39,3847 7564,3866.61 7564,3921.61 7555,3930.61 7555,3954.58 C91.2@7554,3955.58 ; C91.2@7554,3958.57 7646.58,3958.57 v2(7647,3958.98)
  LOW_SPEED w7.87: v2(7520,4175) 7554,4175 7647,4082 v2@7647,3956
C_CC2: C90.2 J8.B5 U25.29 | length 1049.4
  HIGH_SPEED_TOP w7.87: v2(7327.07,4421) 7328.07,4420 7328.07,4391 7349.07,4370 7381.07,4370 7405.66,4345.42 J8.B5@7405.66,4321.01 J8.B5@7407.59,4319.09 ; U25.29@7491.46,3815.42 7491.46,3839.46 7510,3858 7527,3858 7547,3878 7547,3907 7532,3922 7519,3922 7508,3933 7508,3971 ; 7508,3977.6 7508,4115 v2(7510,4117)
  HIGH_SPEED_TOP w10: C90.2@7463,3957.57 7463.57,3957 7494,3957 7508,3971 7508,3977.6
  HIGH_SPEED_BOT w7.87: v2(7327.07,4421) 7344.07,4404 7344.07,4127 7371.07,4100 7493,4100 v2(7510,4117)
C_USB_N: J8.A7 J8.B7 U25.27 | length 1203.2
  HIGH_SPEED_TOP w4.92: J8.A7@7415.5,4254.09 7427.38,4254.09 7430.26,4251.2 7430.26,4237.82 7383.1,4190.66 7383.1,4163.34 7402.41,4144.03 7436.03,4144.03 v2(7467,4175) ; J8.B7@7445.03,4321.01 7445.03,4328.93 7440.1,4333.85 7440.1,4398.9 7440.49,4399.29 7440.49,4410.62 7443.38,4413.5 7463.57,4413.5 v2(7464.07,4413) ; U25.27@7522.95,3815.42 7522.95,3823.29 U25.27@7524.43,3824.77 ; U25.27@7524.43,3824.88 U25.27@7524.43,3824.77 ; v2(7644,3880) 7644,3861.8 7641.12,3858.92 7592.63,3858.92 7568.31,3834.6 7534.15,3834.6 7528.3,3828.75 7528.3,3828.64 U25.27@7524.43,3824.77
  LOW_SPEED w4.92: v2(7464.07,4413) 7463.57,4413.5 7443.38,4413.5 7440.49,4410.62 7440.49,4300.25 7454.17,4286.57 7454.17,4187.83 v2(7467,4175) 7454.17,4162.17 7454.17,4041.79 7637.04,3858.92 7641.12,3858.92 7644,3861.8 v2(7644,3880)
C_USB_P: J8.A6 J8.B6 U25.26 | length 1147.2
  HIGH_SPEED_TOP w4.92: v2(7407.07,4414) 7427.27,4414 7430.65,4410.62 7430.65,4403.37 7430.26,4402.98 7430.26,4333.85 7425.34,4328.93 J8.B6@7425.34,4321.01 ; v2(7431.5,4175) 7431.5,4168.93 7416.44,4153.87 7406.49,4153.87 7392.94,4167.42 7392.94,4186.58 7440.1,4233.74 7440.1,4251.2 7442.99,4254.09 J8.A6@7454.87,4254.09 ; U25.26@7538.7,3815.42 7538.7,3823.28 7540.18,3824.76 7572.38,3824.76 7596.7,3849.08 7641.12,3849.08 7644,3846.2 v2(7644,3828)
  LOW_SPEED w4.92: v2(7407.07,4414) 7427.27,4414 7430.65,4410.62 7430.65,4296.17 7444.33,4282.49 7444.33,4187.83 v2(7431.5,4175) 7444.33,4162.17 7444.33,4037.71 7632.96,3849.08 7641.12,3849.08 7644,3846.2 v2(7644,3828)
CBI: IC12.16 R127.2 | length 148.6
  HIGH_SPEED_TOP w7.87: IC12.16@7229.67,1739.02 7308.98,1739.02 7318,1730 7318,1715 7323,1710 R127.2@7357.5,1710
CBO: IC12.21
CEC: J6.14 Q3.3 R61.1 U21.1 U21.10
CHG: Q6.4 R122.2 R140.1 | length 191
  HIGH_SPEED_TOP w7.87: R122.2@7420.5,1582 7462,1582 7487,1557 v2(7487,1519)
  HIGH_SPEED_TOP w10: R140.1@7779.5,1064 7781.14,1062.35 Q6.4@7781.14,988.54
  other v2: 7016,878
CHG0: IC12.13 R122.1 | length 185.4
  HIGH_SPEED_TOP w7.87: IC12.13@7229.67,1662.25 7272.75,1662.25 7297,1638 7297,1601 7318,1580 7356.5,1580 R122.1@7358.5,1582
CLK1_N: R119.1 U17.17
CLK1_P: R118.1 U17.18
CLK2_N: R33.1 U17.13
CLK2_P: R32.1 U17.14
CLK3_N: R35.1 U17.11
CLK3_P: R34.1 U17.12
CLK_N: R29.1 U17.19
CLK_P: R28.1 U17.20
CLKREQ: NVME.52 R20.1
COMP: C139.2 C140.2 IC14.18 | length 429.6
  HIGH_SPEED_TOP w7.87: IC14.18@6625.2,3674.37 6654.37,3674.37 6666,3686 6666,3771 6684,3789 6759,3789 6771,3801 6771,3824 6779,3832 6825.43,3832 C139.2@6826,3831.43 C140.2@6926,3831.43
CR: C159.1 IC17.14
DN1_N: IC17.1 L20.2
DN1_OUT_N: BR2.4 J13.5 L20.3
DN1_OUT_P: BR2.2 J13.4 L20.4
DN1_P: IC17.2 L20.1
DN2_N: IC17.3 L21.2
DN2_OUT_N: BR3.4 J14.5 L21.3
DN2_OUT_P: BR3.2 J14.4 L21.4
DN2_P: IC17.4 L21.1
DN3_N: IC17.6 L23.2
DN3_OUT_N: BR5.4 J15.2 L23.3
DN3_OUT_P: BR5.2 J15.3 L23.4
DN3_P: IC17.7 L23.1
DN4_N: IC17.8 L22.2
DN4_OUT_N: BR4.4 J16.2 L22.3
DN4_OUT_P: BR4.2 J16.3 L22.4
DN4_P: IC17.9 L22.1
DR1H: IC14.2 R146.1 | length 152.7
  HIGH_SPEED_TOP w7.87: R146.1@6353.23,3636.5 6356.73,3633 6388,3633 6397,3642 6397,3662 6409.37,3674.37 IC14.2@6475.59,3674.37
DR1L: IC14.1 IC14.27 R145.1 | length 119.6
  HIGH_SPEED_TOP w7.87: R145.1@6353.23,3697.5 6357.15,3693.58 IC14.27@6471.18,3693.58
DSG: Q7.4 R125.2 | length 121.3
  HIGH_SPEED_TOP w7.87: R125.2@7204.5,1574 7205.5,1573 v2@7263,1573
  HIGH_SPEED_TOP w10: v2(7166,828) 7167.64,829.64 7225.36,829.64 Q7.4@7227,831.28
  other v2: 7264,1573
DSG0: IC12.12 R124.1 | length 181.9
  HIGH_SPEED_TOP w7.87: R124.1@6989.5,1574 6988.5,1575 6952,1575 6935,1592 6935,1639 6958.25,1662.25 IC12.12@6998.33,1662.25
DSG1: D4.2 R124.2 R125.1 | length 211.5
  HIGH_SPEED_TOP w7.87: D4.2@7119.07,1499 7085,1499 7052.5,1531.5 R124.2@7052.5,1574 R125.1@7141.5,1574
DSG2: D4.1 D6.1 R141.1 | length 219.2
  HIGH_SPEED_TOP w7.87: D4.1@7202.93,1499 v2(7264,1499)
  HIGH_SPEED_TOP w10: v2(7029,1042) 7051,1064 D6.1@7103.04,1064 7103.04,997.54 R141.1@7097,991.5
EN/UVLO: IC14.4 R144.1 R147.2 | length 312.5
  HIGH_SPEED_TOP w10: R147.2@6291,3452.5 R144.1@6291,3511.5 6339.5,3511.5 6431,3603 6431,3629.14 6436.86,3635 IC14.4@6478.07,3635
FB: IC14.14 R148.1 R149.2 | length 271.1
  HIGH_SPEED_TOP w7.87: IC14.14@6625.2,3595.63 6758.63,3595.63 6781.5,3618.5 R149.2@6814,3618.5 6814,3548.5 R148.1@6816,3546.5